# Altium PCB PCB_SAMARUC_8.PcbDoc (part 1 of 2) (continued)
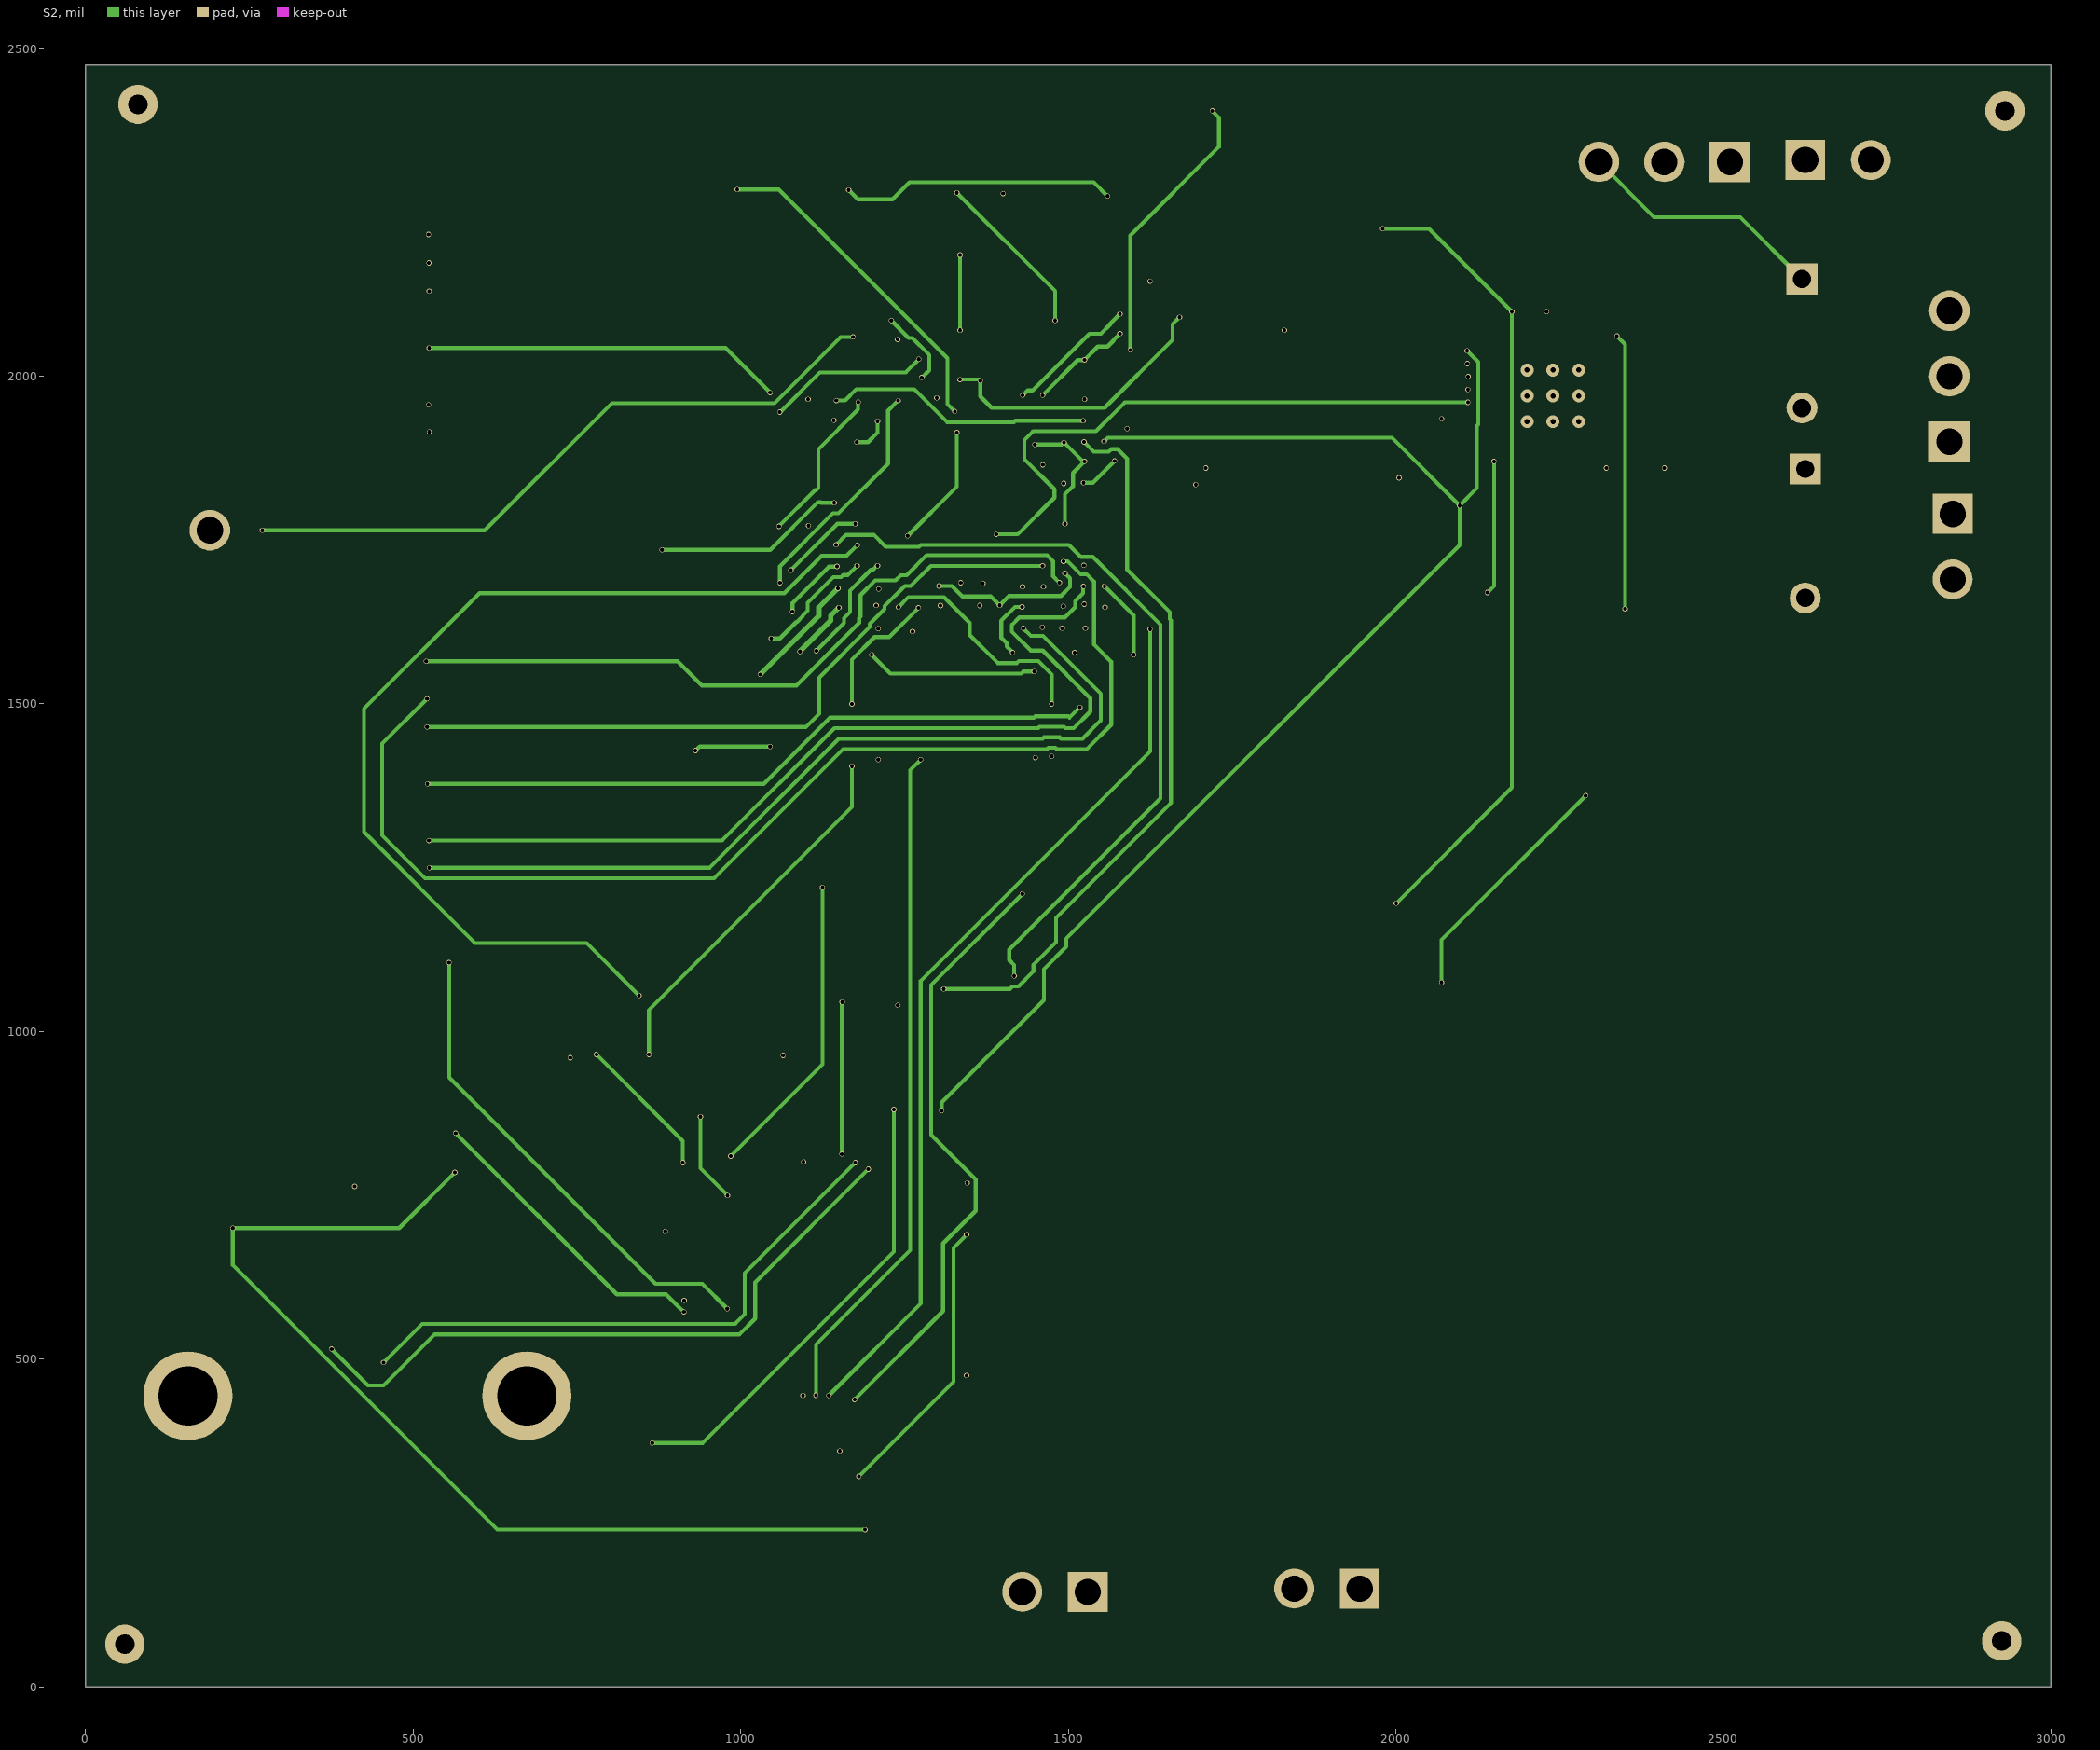
[diagram p3: S2]
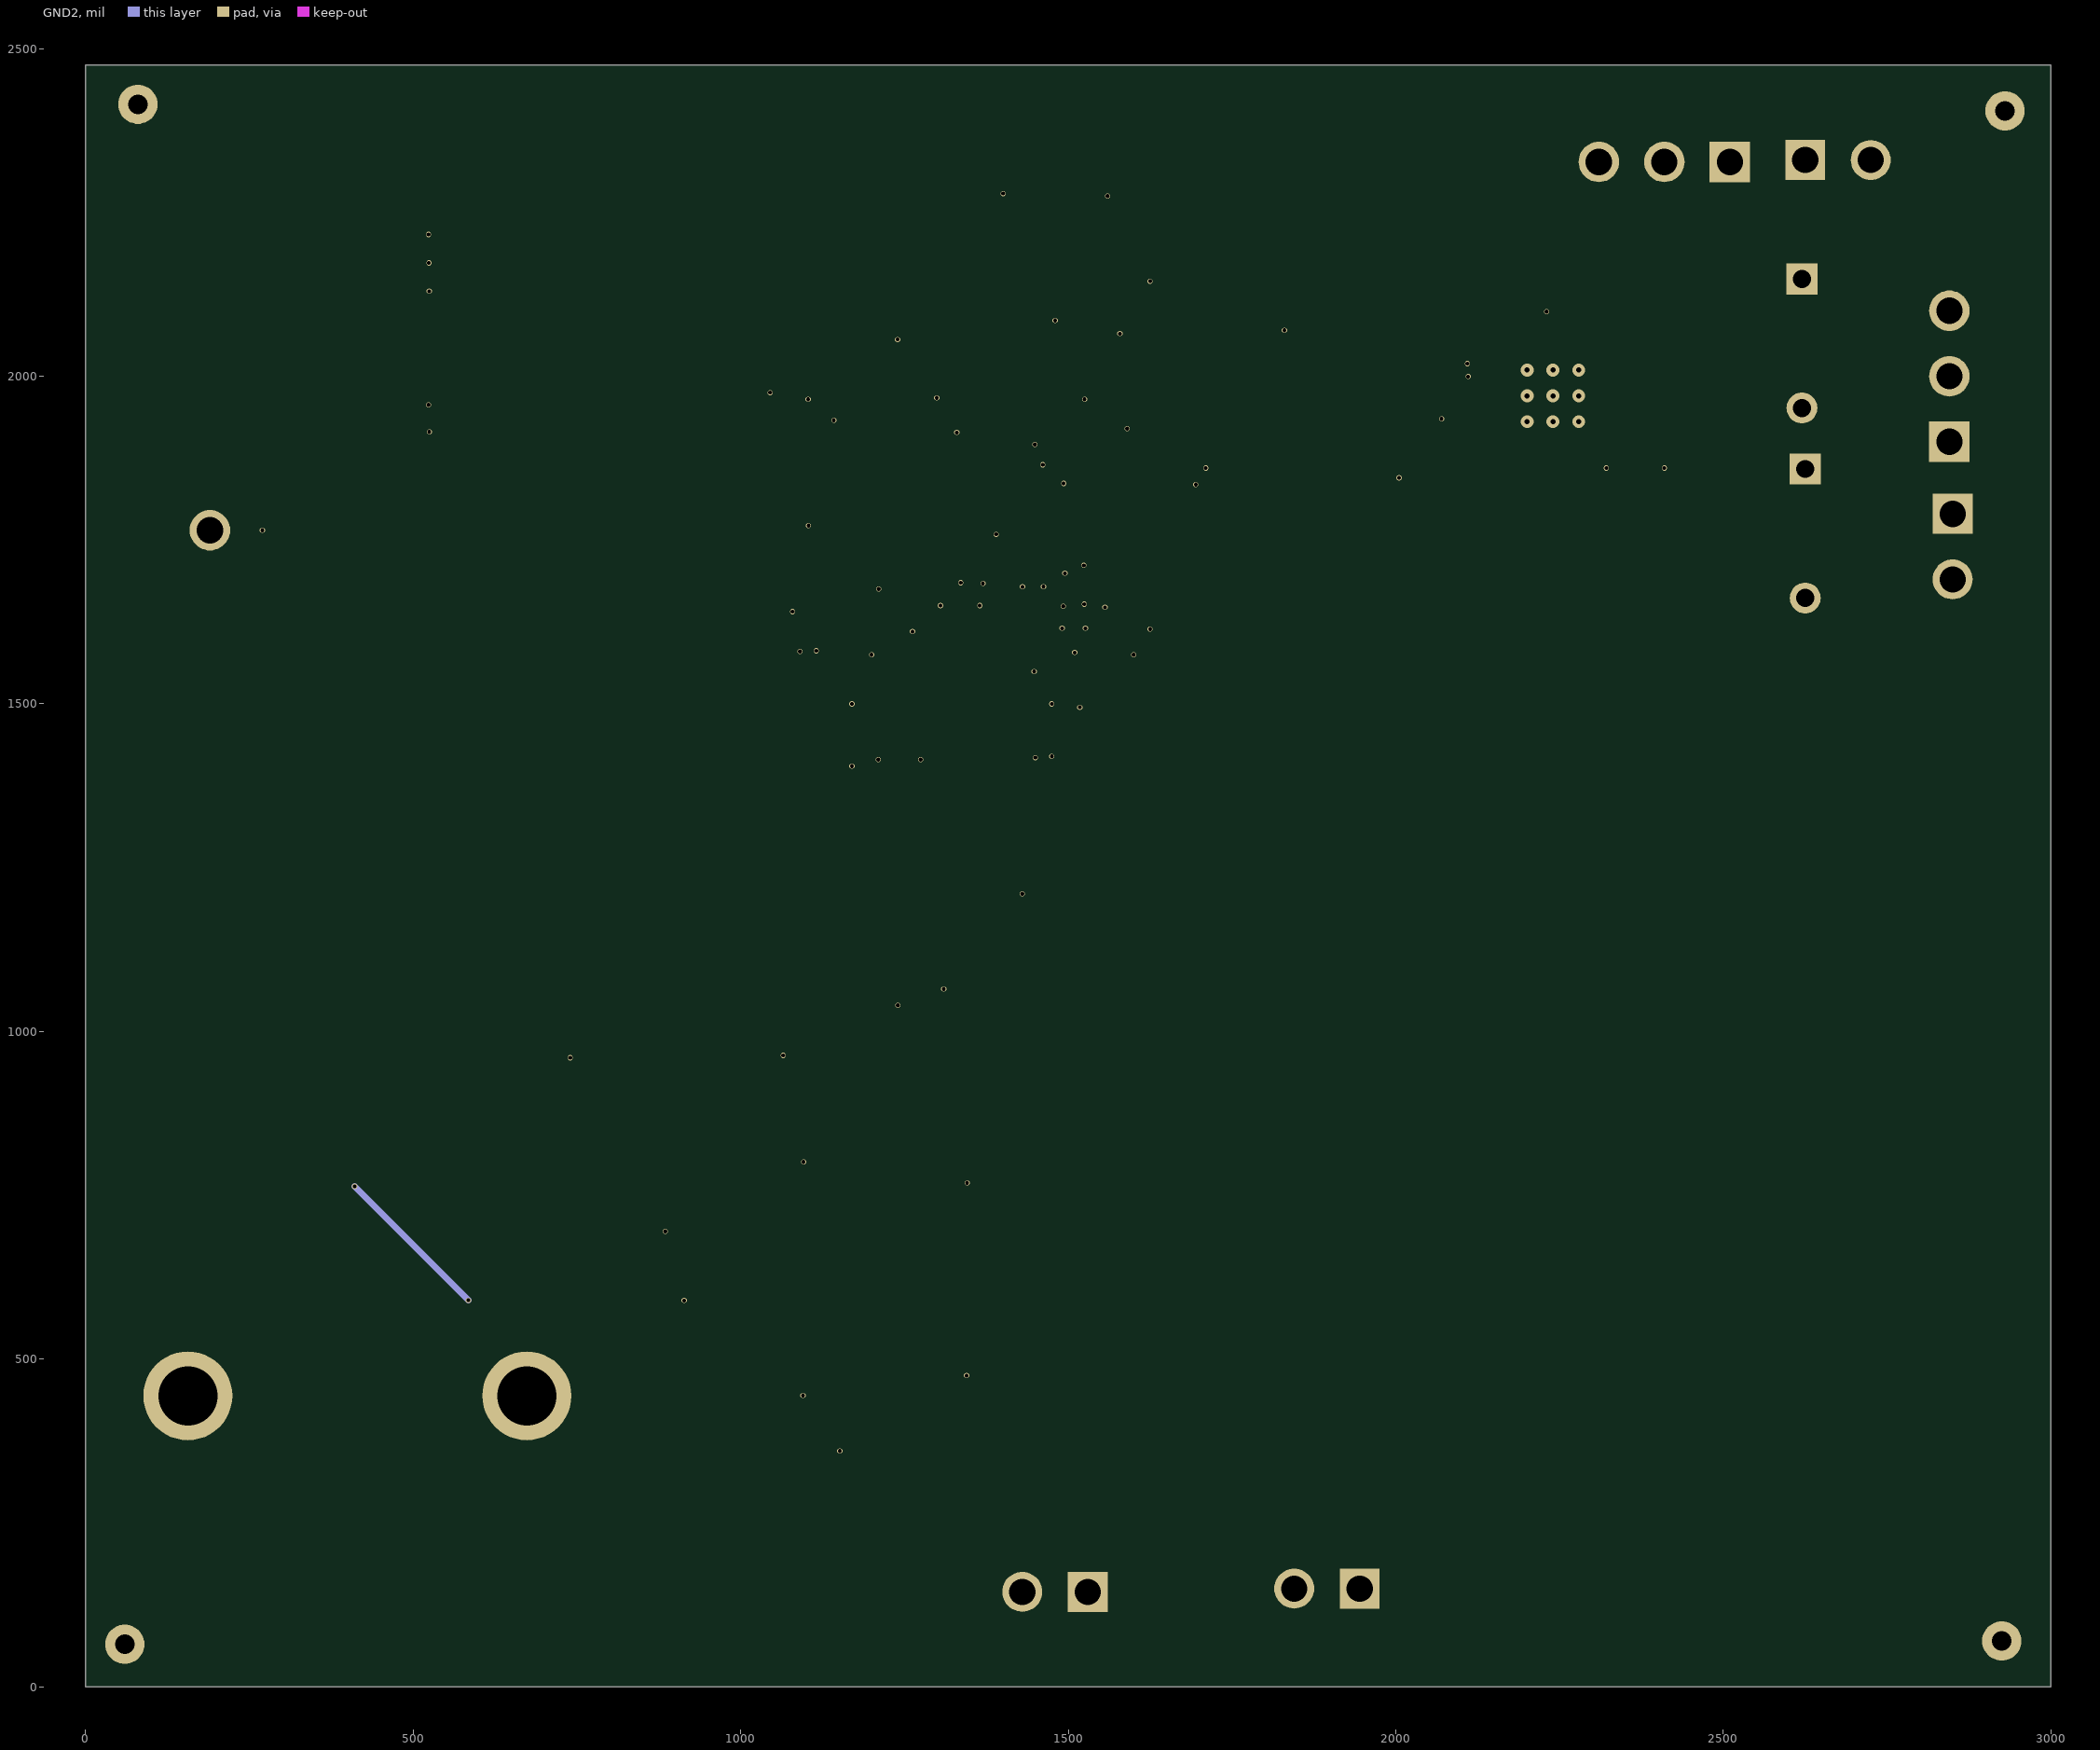
[diagram p4: GND2]

## Layer stack, top to bottom
Top Solder: solder mask 0.4, SM-001, Dk 4
Top (S1): signal copper 1.4
Dielectric 1: prepreg 8, PP-006, Dk 4.1
GND1: signal copper 1.378
Dielectric 2: core 15, Core-035, Dk 4.7
PWR: signal copper 1.378
Dielectric 3: prepreg 4, PP-006, Dk 4.1
Dielectric 4: prepreg 4, PP-006, Dk 4.1
S2: signal copper 1.378
Dielectric 5: core 15, Core-035, Dk 4.7
GND2: signal copper 1.378
Dielectric 6: prepreg 8, PP-006, Dk 4.1
Bottom (S3): signal copper 1.4
Bottom Solder: solder mask 0.4, SM-001, Dk 4

## Board outline
0,0 3000,0 3000,2475 0,2475

## Design rules (kind name [scope] priority, off if disabled: settings)
Clearance Clearance_BGA_via [IsVia] p1: gap=6 ignorepadtopadclearanceinfootprint=FALSE
Clearance Clearance_BGA [InComponent('IC1')] p2: gap=6 ignorepadtopadclearanceinfootprint=FALSE
Clearance Clearance_U9 [InComponent('U9')] p3: gap=7.8 ignorepadtopadclearanceinfootprint=FALSE
Clearance Clearance_XDS100 [InComponent('U7')] p4: gap=6 ignorepadtopadclearanceinfootprint=FALSE
Clearance Clearance_Codec [InComponent('U1')] p5: gap=8.5 ignorepadtopadclearanceinfootprint=FALSE
Clearance Clearance_SD [InComponent('SD1_U_uSD_Card2','SD1_U_uSD_Card1')] p6: gap=9.8 ignorepadtopadclearanceinfootprint=FALSE
Clearance Clearance_1 [All] p7: gap=10 ignorepadtopadclearanceinfootprint=FALSE except(0: Arc-Hole Track-Hole SMDPad-Hole THPad-Hole Via-Hole Fill-Hole Poly-Hole Region-Hole Text-Hole)
PlaneClearance [All] p1: clearance=6
PolygonConnect [All] p1: connectstyle=Relief reliefconductorwidth=10 reliefentries=4 polygonreliefangle="90 Angle" airgapwidth=10
RoomDefinition U_dsp_power [InComponentClass('U_dsp_power')] p1: confinementstyle=ConfineIn formatcopy=TRUE lockcomponents=FALSE outline 699.02,2357.74 699.02,2459.7 859.02,2459.7 859.02,2460.98 1305.98,2460.98 1305.98,2454.65 1725.98,2454.65 1725.98,2450.98 2245.98,2450.98 2245.98,2269.02 1960.98,2269.02 1960.98,2267.68 1915.98,2267.68 1915.98,1799.02 1910.98,1799.02 1910.98,1554.02 1750.98,1554.02 1750.98,1449.02 1415.98,1449.02 1415.98,869.02 1144.02,869.02 1144.02,1238.58 874.88,1238.58 874.88,1459.02 704.02,1459.02 704.02,1759.02 702.68,1759.02 702.68,2357.74
RoomDefinition U_Power [InComponentClass('U_Power')] p2: confinementstyle=ConfineIn formatcopy=TRUE lockcomponents=FALSE outline 1368.03,8.08 1368.03,287.92 1409.02,287.92 1409.02,455.98 1424.02,455.98 1424.02,982.32 1604.02,982.32 1604.02,985.98 1694.02,985.98 1792.09,985.98 1792.09,1012.28 1909.02,1012.28 1909.02,1375.98 1909.02,1530.98 2095.75,1530.98 2095.75,1671.65 2343.31,1671.65 2343.31,1360.12 2655.32,1360.12 2655.32,710.2 2197.68,710.2 2197.68,502.09 2185.98,502.09 2185.98,414.02 2035.51,414.02 2035.51,13.08 1620.51,13.08 1620.51,8.08
RoomDefinition U_XDS100_V2 [InComponentClass('U_XDS100_V2')] p3: confinementstyle=ConfineIn formatcopy=TRUE lockcomponents=FALSE outline 106.65,651.52 106.65,813.49 114.02,813.49 114.02,982.32 229.02,982.32 229.02,985.98 229.02,1080.98 395.28,1080.98 395.28,1134.94 734.02,1134.94 734.02,1150.98 1142.85,1150.98 1142.85,1218.49 1224.02,1218.49 1224.02,1219.65 1325.98,1219.65 1325.98,1210.99 1418.35,1210.99 1418.35,817.2 1734.68,817.2 1734.68,545.98 1750.98,545.98 1750.98,444.02 1416.3,444.02 1416.3,273.66 1384.93,273.66 1384.93,185.86 1355.98,185.86 1355.98,29.02 825.98,29.02 825.98,27.68 724.02,27.68 724.02,649.02 564.02,649.02 564.02,651.52
RoomDefinition U_clock_12MHz [InComponentClass('U_clock_12MHz')] p4: confinementstyle=ConfineIn formatcopy=TRUE lockcomponents=FALSE outline 985,1035 1170,1035 1170,1260 985,1260
RoomDefinition U_Codec [InComponentClass('U_Codec')] p5: confinementstyle=ConfineIn formatcopy=TRUE lockcomponents=FALSE outline 1914.45,1514.02 1914.45,2210.98 2096.42,2210.98 2096.42,2206.42 2235.55,2206.42 2235.55,2201.42 2355.55,2201.42 2355.55,2200.98 2535.98,2200.98 2535.98,2040.98 2540.98,2040.98 2540.98,1960.98 2540.98,1859.02 2525.98,1859.02 2525.98,1669.02 2525.98,1504.02 2344.02,1504.02 2344.02,1514.02
RoomDefinition SAMARUC [InComponentClass('SAMARUC')] p6: confinementstyle=ConfineIn formatcopy=TRUE lockcomponents=FALSE outline 119.17,1694.17 119.17,1835.83 2240.16,1835.83 2240.16,2477.8 2613.31,2477.8 2613.31,2466.92 2786.97,2466.92 2786.97,2169.84 2995.75,2169.84 2995.75,1796.69 2986.92,1796.69 2986.92,1628.03 2721.61,1628.03 2721.61,1620.08 2528.39,1620.08 2528.39,1694.17
RoomDefinition U_dsp_connection [InComponentClass('U_dsp_connection')] p7: confinementstyle=ConfineIn formatcopy=TRUE lockcomponents=FALSE outline 875.35,2069.02 875.35,2170.98 1049.02,2170.98 1049.02,2265.98 1124.02,2265.98 1225.98,2265.98 1225.98,2264.65 1305.98,2264.65 1305.98,2256.77 1393.31,2256.77 1393.31,2005.98 1680.98,2005.98 1680.98,1580.98 1910.98,1580.98 1910.98,1479.02 1665.98,1479.02 1665.98,1409.02 1570.98,1409.02 1570.98,1405.35 1140.91,1405.35 1140.91,1328.66 883.7,1328.66 883.7,1459.02 882.68,1459.02 882.68,1634.02 879.02,1634.02 879.02,2069.02
RoomDefinition U_uSD_Card1 [InComponentClass('U_uSD_Card1')] p8: confinementstyle=ConfineIn formatcopy=TRUE lockcomponents=FALSE outline 19.04,1808.72 719.04,1808.72 719.04,2463.72 19.04,2463.72
RoomDefinition U_uSD_Card2 [InComponentClass('U_uSD_Card2')] p9: confinementstyle=ConfineIn formatcopy=TRUE lockcomponents=FALSE outline 14.7,1133.72 719.7,1133.72 719.7,1803.72 14.7,1803.72
RoomDefinition U_SPI_Flash [InComponentClass('U_SPI_Flash')] p10: confinementstyle=ConfineIn formatcopy=TRUE lockcomponents=FALSE outline 1235.35,1314.02 1235.35,1415.98 1409.76,1415.98 1409.76,1437.52 1900.24,1437.52 1900.24,1285.98 2090.98,1285.98 2090.98,1184.02 1900.24,1184.02 1900.24,981.69 1409.76,981.69 1409.76,1229.02 1239.02,1229.02 1239.02,1314.02
RoutingVias [All] p1: holewidth=6 width=8 viastyle="Through Hole" minholewidth=4 minwidth=6 maxholewidth=8 maxwidth=10 viatemplateguid#1={F22638EE-940E-4C88-8216-6500FDC7E17B} viatemplateguid#2={5C56720C-61C8-4260-BDDD-21D511600613} viatemplatename#1=v50h20 viatemplatename#2=v127h71
SolderMaskExpansion [All] p1: expansion=4 istentingtop=FALSE
Width Width_BGA [InComponent('IC1')] p1: maxlimit=10 minlimit=6 preferedwidth=6 midlayer3_minwidth=10 midlayer3_prefwidth=10 midlayer4_minwidth=10 midlayer4_prefwidth=10 minimp=50.000000 maximp=50.000000 favimp=50.000000
Width Width_1 [All] p2: maxlimit=10 minlimit=6 preferedwidth=10 midlayer3_minwidth=10 midlayer4_minwidth=10 minimp=50.000000 maximp=50.000000 favimp=50.000000
29 further rules are at their usual default settings.

## Classes and differential pairs
channel class uSD_Card: U_uSD_Card1 U_uSD_Card2
component class U_XDS100_V2: C85 C86 C87 C88 C89 C90 C91 C92 C93 C94 C95 C96 C97 C98 C99 C100 C101 C102 C103 D3 D4 FB9 FB10 FB11 R36 R37 R38 R39 R40 R41 R42 R43 R44 R45 R46 R47 R48 R49 R50 R51 R52 U8 U10
component class U_uSD_Card2: C12_U_uSD_Card2 C13_U_uSD_Card2 R11_U_uSD_Card2 R12_U_uSD_Card2 R13_U_uSD_Card2 R14_U_uSD_Card2 R15_U_uSD_Card2 R16_U_uSD_Card2 SD1_U_uSD_Card2
component class U_uSD_Card1: C12_U_uSD_Card1 C13_U_uSD_Card1 R11_U_uSD_Card1 R12_U_uSD_Card1 R13_U_uSD_Card1 R14_U_uSD_Card1 R15_U_uSD_Card1 R16_U_uSD_Card1 SD1_U_uSD_Card1
component class U_SPI_Flash: C11 R9 R10
component class U_Power: C14 C15 C16 C17 C18 C19 C20 C21 C22 C23 C24 C25 C26 C27 C28 C29 D1 L1 L2 P1 P2 R17 R18 R19 R20 R21 R22 R23 R24 U3 U4 U5 U6
component class U_dsp_power: C40 C41 C42 C43 C44 C45 C46 C47 C48 C49 C50 C51 C52 C53 C54 C55 C56 C57 C58 C59 C60 C61 C62 C63 C64 C65 C66 C67 C68 C69 C70 C71 C72 C73 C74 C75 C76 C77 C78 C79 C80 C81 C82 C83 FB4 FB5 FB6 FB7 FB8
component class U_dsp_connection: C32 C33 C34 C35 C36 C37 C38 C39 D2 FB3 R25 R26 R27 R28 R29 R30 R31 R32 R33 R34 R35 Y1
component class U_Codec: C1 C2 C3 C4 C5 C6 C7 C8 C9 C10 FB1 FB2 R1 R2 R3 R4 R5 R6 R7 R8 U1
component class U_clock_12MHz: C84 Y2
component class SAMARUC: C30 C31 J1 J2 J3 P3 P4

## Components (designator, comment, footprint, x,y, rotation, side; value= is the part's Value field where it differs from the comment)
C1 "10uF" 0805_C_S 2440,2070 r180 top
C2 "0.1uF" 0805_C_S 2445,2150 r180 top
C3 "10uF" 0805_C_S 2005.43,1635 r180 top
C4 "0.1uF" 0805_C_S 2005.43,1565 r180 top
C5 "0.47uF" 0805_C_S 2435,1720 r0 top
C6 "0.47uF" 0805_C_S 2450,1910 r0 top
C7 "10uF" 0805_C_S 2005.43,1800 r180 top
C8 "0.1uF" 0805_C_S 2005.43,1715 r180 top
C9 "10uF" 0805_C_S 2435,1635 r180 top
C10 "0.1uF" 0805_C_S 2435,1555 r180 top
C11 "0.1uF" 0805_C_S 1330,1280 r180 top
C12_U_uSD_Card1 "10uF" 0805_C_S 615,2408.72 r180 top (schematic designator C12)
C12_U_uSD_Card2 "10uF" 0805_C_S 615,1635 r180 top (schematic designator C12)
C13_U_uSD_Card1 "0.1uF" 0805_C_S 615,2315 r180 top (schematic designator C13)
C13_U_uSD_Card2 "0.1uF" 0805_C_S 615,1735 r180 top (schematic designator C13)
C14 "FC0V474ZFTBR24" FP-FC0V474ZFTBR24-MFG 2415,1045 r90 top
C15 "4.7uF" 0805_C_S 1555,360 r270 top
C16 "4.7uF" 0805_C_S 2045,1435 r270 top
C17 "4.7uF" 0805_C_S 1960,1440 r270 top
C18 "4.7uF" 0805_C_S 2000,1325 r180 top
C19 "1uF" 0805_C_S 1645,365 r270 top
C20 "4.7uF" 0805_C_S 1830,360 r270 top
C21 "2200pF" 0805_C_S 1795,705 r270 top
C22 "10uF" 0805_C_S 1475,891.34 r270 top
C23 "1uF" 0805_C_S 1655,895 r270 top
C24 "4.7uF" 0805_C_S 1565,891.34 r270 top
C25 "1uF" 0805_C_S 1740,360 r270 top
C26 "4.7uF" 0805_C_S 1925,365 r270 top
C27 "2200pF" 0805_C_S 1960,530 r270 top
C28 "10uF" 0805_C_S 1460,365 r270 top
C29 "4.7uF" 0805_C_S 1775,535 r90 top
C30 "RCER71H106MWK1H03B" FP-RCEWM1-MFG 2625,1760 r270 top
C31 "RCER71H106MWK1H03B" FP-RCEWM1-MFG 2620,2050 r270 top
C32 "10uF" 0805_C_S 1210,1503.66 r270 top
C33 "0.1uF" 0805_C_S 1290,1503.66 r270 top
C34 "1000pF" 0805_C_S 1370,1505 r270 top
C35 "33pF" 0805_C_S 1175,2175 r90 top
C36 "33pF" 0805_C_S 1255,2173.66 r270 top
C37 "0.1uF" 0805_C_S 1820,1530 r0 top
C38 "0.1uF" 0805_C_S 1615,1500 r270 top
C39 "10uF" 0805_C_S 1520,1496.34 r270 top
C40 "10uF" 0805_C_S 1700,1540 r90 top
C41 "0.1uF" 0805_C_S 1661.34,1655 r0 top
C42 "1000pF" 0805_C_S 1661.34,1730 r0 top
C43 "0.1uF" 0805_C_S 1085,2370 r270 top
C44 "10uF" 0805_C_S 1255,2370 r270 top
C45 "0.1uF" 0805_C_S 995,2370 r270 top
C46 "1000pF" 0805_C_S 910,2370 r270 top
C47 "0.1uF" 0805_C_S 793.66,2180 r0 top
C48 "0.1uF" 0805_C_S 793.66,2100 r0 top
C49 "0.1uF" 0805_C_S 793.66,2030 r0 top
C50 "1uF" 0805_C_S 798.66,1735 r0 top
C51 "0.01uF" 0805_C_S 800,1585 r0 top
C52 "1uF" 0805_C_S 795,1510 r0 top
C53 "0.01uF" 0805_C_S 793.66,1885 r0 top
C54 "1uF" 0805_C_S 798.66,1660 r0 top
C55 "10uF" 0805_C_S 1825,2360 r90 top
C56 "0.1uF" 0805_C_S 2020,2360 r90 top
C57 "1000pF" 0805_C_S 1910,2358.66 r90 top
C58 "10uF" 0805_C_S 1675,2363.66 r90 top
C59 "0.1uF" 0805_C_S 1495,2360 r90 top
C60 "1000pF" 0805_C_S 1585,2360 r90 top
C61 "0.1uF" 0805_C_S 793.66,1810 r0 top
C62 "0.1uF" 0805_C_S 793.66,1960 r0 top
C63 "0.1uF" 0805_C_S 1825,1850 r0 top
C64 "0.1uF" 0805_C_S 790,2408.72 r0 top
C65 "0.1uF" 0805_C_S 793.66,2330 r0 top
C66 "0.01uF" 0805_C_S 793.66,2255 r0 top
C67 "1uF" 0805_C_S 1820,1940 r0 top
C68 "0.01uF" 0805_C_S 1823.66,2025 r0 top
C69 "1uF" 0805_C_S 1825,2115 r0 top
C70 "0.01uF" 0805_C_S 1823.66,2205 r0 top
C71 "0.1uF" 0805_C_S 1365,960 r270 top
C72 "0.1uF" 0805_C_S 1280,961.34 r270 top
C73 "0.1uF" 0805_C_S 1195,960 r270 top
C74 "10uF" 0805_C_S 1820,1605 r0 top
C75 "0.1uF" 0805_C_S 1500,2170 r90 top
C76 "0.1uF" 0805_C_S 1818.66,1765 r0 top
C77 "0.1uF" 0805_C_S 1820,1685 r0 top
C78 "0.1uF" 0805_C_S 1420,2170 r90 top
C79 "0.1uF" 0805_C_S 2195,2360 r90 top
C80 "0.1uF" 0805_C_S 2110,2360 r90 top
C81 "1uF" 0805_C_S 1675,2175 r270 top
C82 "0.1uF" 0805_C_S 1165,2370 r270 top
C83 "0.1uF" 0805_C_S 1580,2180 r270 top
C84 "0.1uF" 0805_C_S 1078.66,1090 r180 top
C85 "100uF" 0805_C_S 855,120 r270 top
C86 "10uF" 0805_C_S 165,891.34 r270 top
C87 "100uF" 0805_C_S 656.34,870 r180 top
C88 "10uF" 0805_C_S 656.34,785 r180 top
C89 "1uF" 0805_C_S 940,120 r270 top
C90 "10uF" 0805_C_S 655,700 r180 top
C91 "100uF" 0805_C_S 775,118.66 r270 top
C92 "100uF" 0805_C_S 785,280 r90 top
C93 "100uF" 0805_C_S 870,280 r90 top
C94 "100uF" 0805_C_S 950,280 r90 top
C95 "10nF" 0805_C_S 1030,280 r90 top
C96 "100uF" 0805_C_S 1305,120 r270 top
C97 "100uF" 0805_C_S 1210,120 r270 top
C98 "100uF" 0805_C_S 1115,120 r270 top
C99 "10nF" 0805_C_S 1025,120 r270 top
C100 "4.7uF" 0805_C_S 785,445 r270 top
C101 "100nF" 0805_C_S 1105,963.66 r270 top
C102 "4.7uF" 0805_C_S 1275,1128.66 r270 top
C103 "100nF" 0805_C_S 1193.83,1127.51 r270 top
D1 "MBR0520LT1G" FP-425-04-IPC_C 1685,235 r0 top
D2 "LTST-C150AKT" FP-LTST-C150AKT-MFG 1000,1380 r180 top
D3 "MBR0520LT1G" FP-425-04-IPC_C 1285,240 r180 top
D4 "LTST-C150AKT" FP-LTST-C150AKT-MFG 1300,325 r0 top
FB1 "BLM21AG151SN1D" FP-BLM21-0_2-t0_85-e0_5-MFG 2170.43,2160 r0 top
FB2 "BLM21AG151SN1D" FP-BLM21-0_2-t0_85-e0_5-MFG 2290.43,2155 r0 top
FB3 "BLM21AG151SN1D" FP-BLM21-0_2-t0_85-e0_5-MFG 1440,1489.57 r90 top